# KiCad board emon36.kicad_pcb
title: EEMON42 - 42 channels single board energy monitor; date: 2022-12-02; rev: 1; company: JFCInc; note: PCB Layout
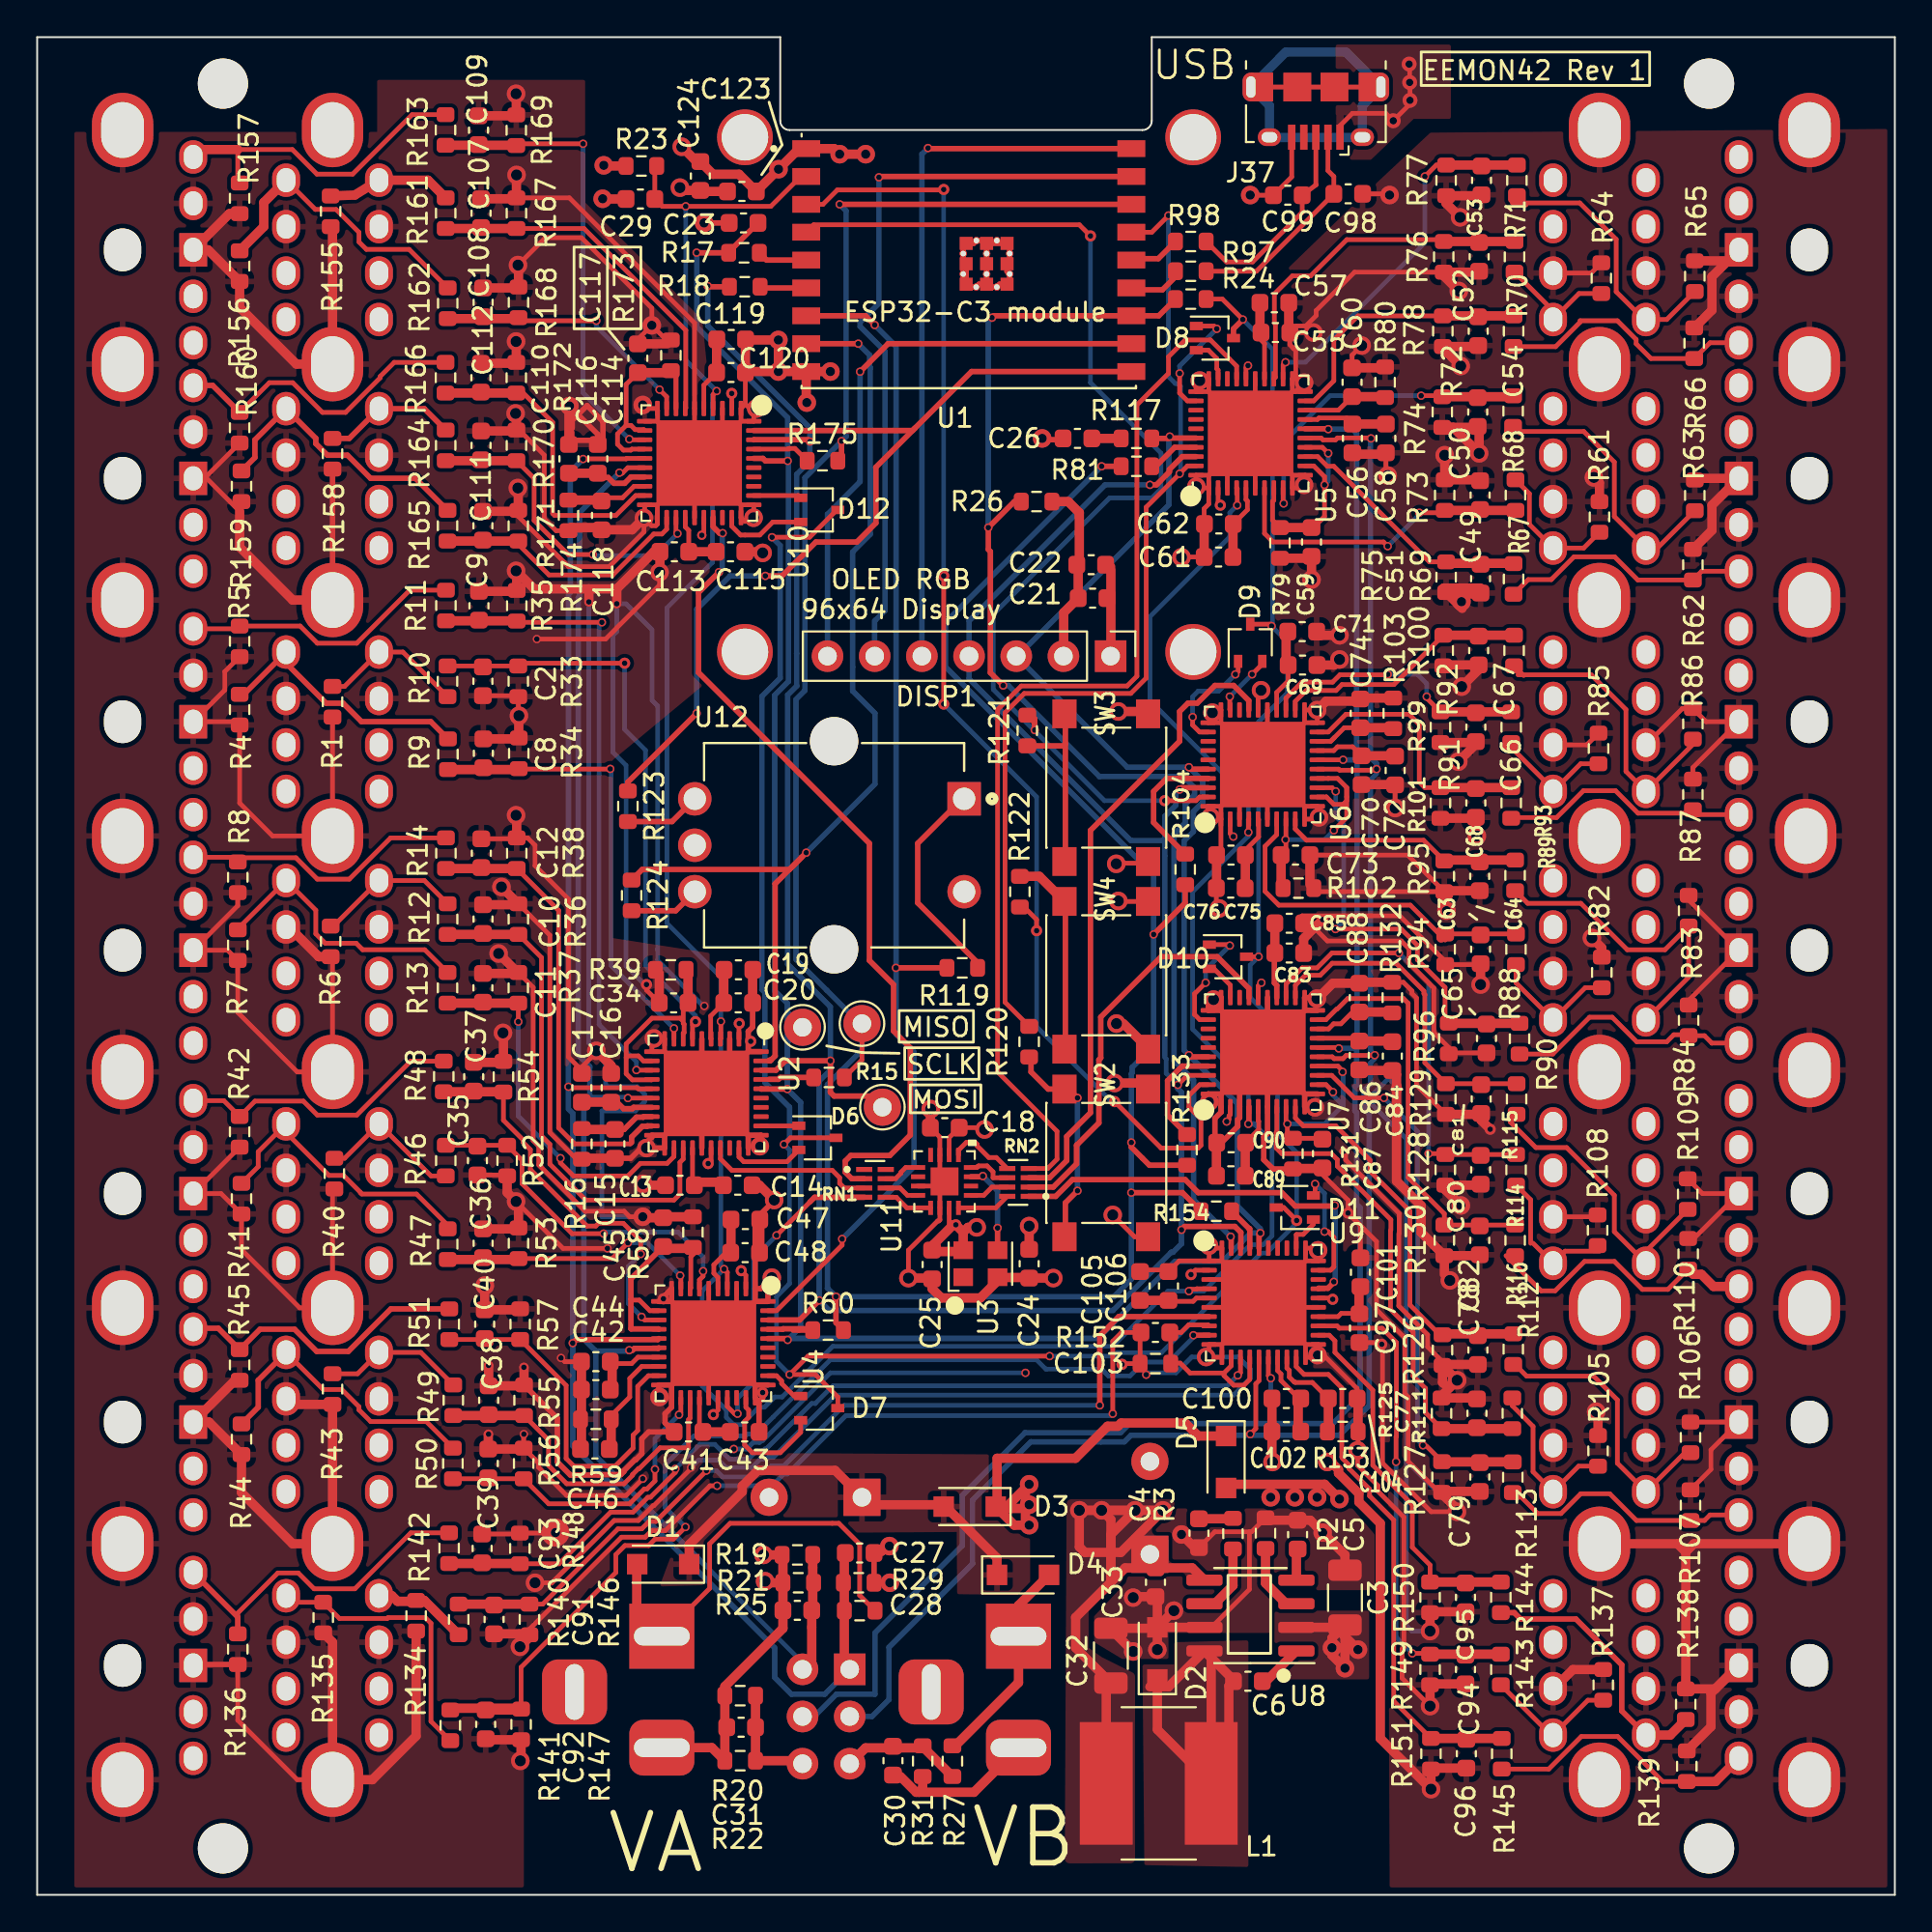
[diagram p0: board, top side]
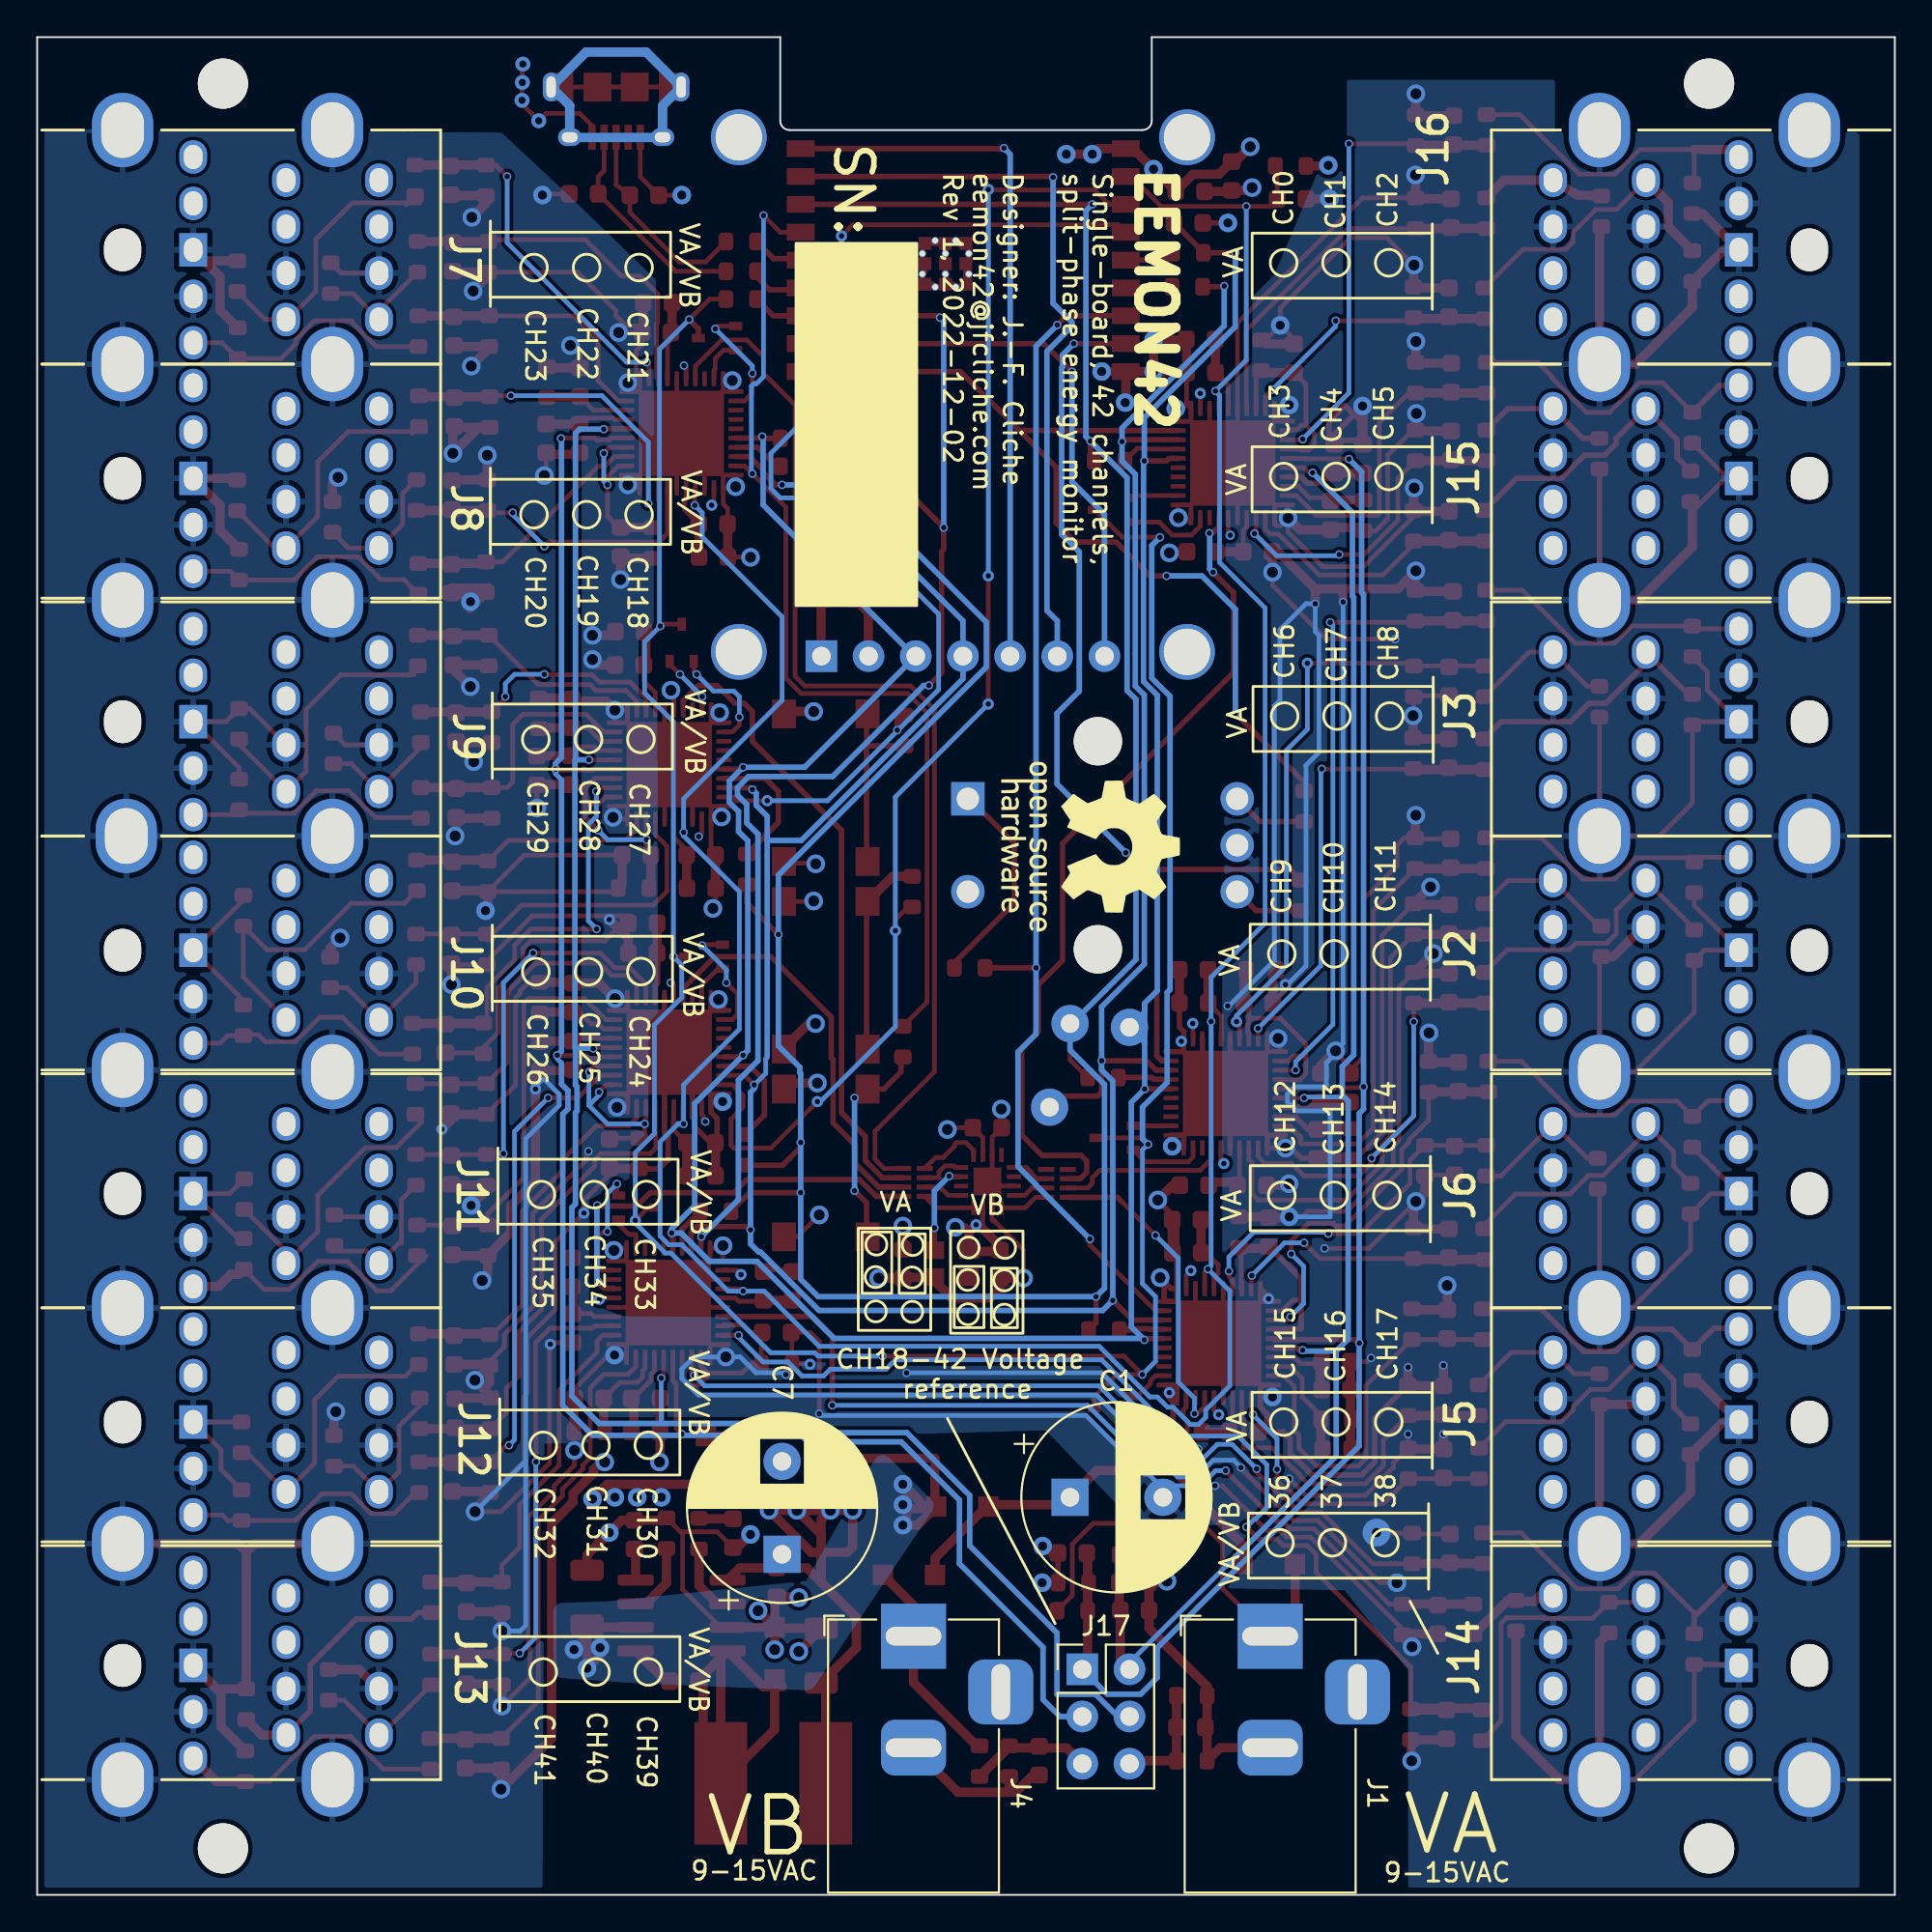
[diagram p1: board, bottom side, seen from below]

Outline 100 x 100 mm; copper layers: Top Layer, In1.Cu (plane), In2.Cu (plane), Bottom Layer. Coordinates in mm from the lower left corner of the outline.
Outline path: 0,100 0,0 100,0 100,100 60,100 60,95.5 arc(59.85,95.15) 59.5,95 40.5,95 arc(40.15,95.15) 40,95.5 40,100 0,100
Stack: Top Layer 0.035mm / dielectric 0.2104mm FR4 er 4.6 / In1.Cu 0.0152mm / dielectric 1.065mm FR4 er 4.6 / In2.Cu 0.0152mm / dielectric 0.2104mm FR4 er 4.6 / Bottom Layer 0.035mm

## Placement (name value [footprint] x y rotation side)
C1  680uF/35V  [CP_Radial_D10.0mm_P5.00mm]  44.4 21.4 180 bottom
C2  22nF  [C_0603_1608Metric]  24 65.33 270 top
C3  10uF/50V  [C_1206_3216Metric]  70.4 16 90 top
C4  2.2nF  [C_0603_1608Metric]  62.54 19.47 270 top
C5  10nF  [C_0603_1608Metric]  67.85 19.39 90 top
C6  0.1uF  [C_0603_1608Metric]  65.17 11.5 180 top
C7  220uF/35V  [CP_Radial_D10.0mm_P5.00mm]  59.9 18.33 90 bottom
C8  22nF  [C_0603_1608Metric]  24.02 61.45 90 top
C9  22nF  [C_0603_1608Metric]  23.78 69.39 90 top
C10  22nF  [C_0603_1608Metric]  24 52.53 90 top
C11  22nF  [C_0603_1608Metric]  24 48.83 90 top
C12  22nF  [C_0603_1608Metric]  23.91 56.07 90 top
C13  4.7uF/16V  [C_0603_1608Metric]  34.6 38.2 180 top
C14  0.22uF  [C_0603_1608Metric]  37.71 38.2 0 top
C15  22nF  [C_0603_1608Metric]  31.1 40.43 270 top
C16  4.7uF/16V  [C_0603_1608Metric]  30.9 43.45 90 top
C17  0.1uF  [C_0603_1608Metric]  29.32 43.45 90 top
C18  0.1uF  [C_0603_1608Metric]  48.86 41.3 180 top
C19  4.7uF/16V  [C_0603_1608Metric]  37.75 49.79 0 top
C20  0.22uF  [C_0603_1608Metric]  37.74 48.02 0 top
C21  0.22uF  [C_0603_1608Metric]  56.81 69.8 0 top
C22  4.7uF/16V  [C_0603_1608Metric]  56.74 71.6 0 top
C23  100pF  [C_0603_1608Metric]  38.03 90 180 top
C24  4.7uF/16V  [C_0603_1608Metric]  53.4 33.98 270 top
C25  0.22uF  [C_0603_1608Metric]  48.17 33.93 270 top
C26  100pF  [C_0603_1608Metric]  56 78.4 180 top
C27  47nF  [C_0603_1608Metric]  44.28 18.4 0 top
C28  47nF  [C_0603_1608Metric]  40.92 15.31 180 top
C29  0.22uF  [C_0603_1608Metric]  32.47 91.29 180 top
C30  47nF  [C_0603_1608Metric]  46.07 7.22 270 top
C31  47nF  [C_0603_1608Metric]  37.89 9.02 180 top
C32  10uF/50V  [C_1206_3216Metric]  57.8 12.88 90 top
C33  0.1uF  [C_0603_1608Metric]  60.2 16.83 90 top
C34  22nF  [C_0603_1608Metric]  34.26 48.02 180 top
C35  22nF  [C_0603_1608Metric]  23.7 39.53 270 top
C36  22nF  [C_0603_1608Metric]  24 35.08 90 top
C37  22nF  [C_0603_1608Metric]  23.5 44.04 90 top
C38  22nF  [C_0603_1608Metric]  24.31 26.63 90 top
C39  22nF  [C_0603_1608Metric]  24.28 23.22 90 top
C40  22nF  [C_0603_1608Metric]  24.09 30.72 90 top
C41  4.7uF/16V  [C_0603_1608Metric]  35.06 24.92 180 top
C42  4.7uF/16V  [C_0603_1608Metric]  30.07 27.2 180 top
C43  0.22uF  [C_0603_1608Metric]  38.08 24.92 0 top
C44  0.1uF  [C_0603_1608Metric]  30.07 28.7 180 top
C45  22nF  [C_0603_1608Metric]  33.7 35.68 90 top
C46  22nF  [C_0603_1608Metric]  30.03 24 180 top
C47  4.7uF/16V  [C_0603_1608Metric]  38.12 36.35 0 top
C48  0.22uF  [C_0603_1608Metric]  38.11 34.57 0 top
C49  22nF  [C_0603_1608Metric]  77.67 75.35 90 top
C50  22nF  [C_0603_1608Metric]  77.55 79.82 270 top
C51  22nF  [C_0603_1608Metric]  77.7 70.85 270 top
C52  22nF  [C_0603_1608Metric]  77.62 88.18 270 top
C53  22nF  [C_0603_1608Metric]  77.75 92.29 270 top
C54  22nF  [C_0603_1608Metric]  77.57 84.17 270 top
C55  4.7uF/16V  [C_0603_1608Metric]  66.66 84.1 0 top
C56  4.7uF/16V  [C_0603_1608Metric]  70.8 78.4 270 top
C57  0.22uF  [C_0603_1608Metric]  66.6 85.7 0 top
C58  0.1uF  [C_0603_1608Metric]  72.6 78.4 270 top
C59  22nF  [C_0603_1608Metric]  68.6 72.83 270 top
C60  22nF  [C_0603_1608Metric]  70.78 81.43 90 top
C61  4.7uF/16V  [C_0603_1608Metric]  63.6 72.02 180 top
C62  0.22uF  [C_0603_1608Metric]  63.61 73.79 180 top
C63  22nF  [C_0603_1608Metric]  77.7 50.9 270 top
C64  22nF  [C_0603_1608Metric]  77.65 54.83 270 top
C65  22nF  [C_0603_1608Metric]  78.02 46.1 270 top
C66  22nF  [C_0603_1608Metric]  77.44 62.85 270 top
C67  22nF  [C_0603_1608Metric]  77.6 66.98 270 top
C68  22nF  [C_0603_1608Metric]  77.44 58.78 270 top
C69  4.7uF/16V  [C_0603_1608Metric]  68.12 66.2 0 top
C70  4.7uF/16V  [C_0603_1608Metric]  71.3 60.54 270 top
C71  0.22uF  [C_0603_1608Metric]  68.1 68 0 top
C72  0.1uF  [C_0603_1608Metric]  73.1 60.53 270 top
C73  22nF  [C_0603_1608Metric]  67.74 55.97 0 top
C74  22nF  [C_0603_1608Metric]  71.22 63.6 90 top
C75  4.7uF/16V  [C_0603_1608Metric]  64.25 54.19 180 top
C76  0.22uF  [C_0603_1608Metric]  64.26 55.97 180 top
C77  22nF  [C_0603_1608Metric]  77.5 25.92 90 top
C78  22nF  [C_0603_1608Metric]  77.56 29.33 270 top
C79  22nF  [C_0603_1608Metric]  77.66 22.49 270 top
C80  22nF  [C_0603_1608Metric]  77.7 39.03 270 top
C81  22nF  [C_0603_1608Metric]  77.73 42.84 270 top
C82  22nF  [C_0603_1608Metric]  77.65 35.23 270 top
C83  4.7uF/16V  [C_0603_1608Metric]  67.4 50.7 0 top
C84  4.7uF/16V  [C_0603_1608Metric]  72.95 45.15 270 top
C85  0.22uF  [C_0603_1608Metric]  67.4 52.3 0 top
C86  0.1uF  [C_0603_1608Metric]  71.17 45.19 270 top
C87  22nF  [C_0603_1608Metric]  69.19 39.9 270 top
C88  22nF  [C_0603_1608Metric]  71.17 48.3 90 top
C89  4.7uF/16V  [C_0603_1608Metric]  64.26 38.71 180 top
C90  0.22uF  [C_0603_1608Metric]  64.27 40.49 180 top
C91  22nF  [C_0603_1608Metric]  24.6 14.83 270 top
C92  22nF  [C_0603_1608Metric]  24.14 9.18 270 top
C93  22nF  [C_0603_1608Metric]  23.95 18.65 90 top
C94  22nF  [C_0603_1608Metric]  76.89 12.13 270 top
C95  22nF  [C_0603_1608Metric]  76.89 16.01 270 top
C96  22nF  [C_0603_1608Metric]  76.93 7.6 270 top
C97  4.7uF/16V  [C_0603_1608Metric]  71.18 30.5 270 top
C98  22pF  [C_0603_1608Metric]  70.57 91.57 0 top
C99  22pF  [C_0603_1608Metric]  67.32 91.49 180 top
C100  4.7uF/16V  [C_0603_1608Metric]  67.24 26.72 180 top
C101  0.22uF  [C_0603_1608Metric]  71.23 33.51 90 top
C102  0.1uF  [C_0603_1608Metric]  67.24 24.94 180 top
C103  22nF  [C_0603_1608Metric]  60.2 30.27 180 top
C104  22nF  [C_0603_1608Metric]  70.28 26.72 0 top
C105  4.7uF/16V  [C_0603_1608Metric]  59.37 32.78 90 top
C106  0.22uF  [C_0603_1608Metric]  60.9 32.78 90 top
C107  22nF  [C_0603_1608Metric]  23.89 90.53 90 top
C108  22nF  [C_0603_1608Metric]  24 85.73 90 top
C109  22nF  [C_0603_1608Metric]  23.76 94.99 90 top
C110  22nF  [C_0603_1608Metric]  23.89 78.03 90 top
C111  22nF  [C_0603_1608Metric]  24 73.7 90 top
C112  22nF  [C_0603_1608Metric]  23.89 81.67 90 top
C113  4.7uF/16V  [C_0603_1608Metric]  34.3 72.3 180 top
C114  4.7uF/16V  [C_0603_1608Metric]  30.18 77.3 90 top
C115  0.22uF  [C_0603_1608Metric]  37.32 72.3 0 top
C116  0.1uF  [C_0603_1608Metric]  28.63 77.3 90 top
C117  22nF  [C_0603_1608Metric]  32.34 82.72 90 top
C118  22nF  [C_0603_1608Metric]  30.38 74.26 270 top
C119  4.7uF/16V  [C_0603_1608Metric]  37.36 83.73 0 top
C120  0.22uF  [C_0603_1608Metric]  37.35 81.95 0 top
C123  4.7uF/16V  [C_0603_1608Metric]  37.93 91.69 180 top
C124  0.22uF  [C_0603_1608Metric]  35.7 92.53 270 top
D1  B240AE-13  [D_SOD-123F]  33.7 17.8 180 top
D2  B240AE-13  [D_SOD-123F]  60.3 13 90 top
D3  B240AE-13  [D_SOD-123F]  50.2 20.9 180 top
D4  B240AE-13  [D_SOD-123F]  53.07 17.22 0 top
D5  B240AE-13  [D_SOD-123F]  64 23.3 270 top
D6  D_Schottky_Dual_CommonAnode_KKA_Parallel  [SOT-323_SC-70]  42 40.75 0 top
D7  D_Schottky_Dual_CommonAnode_KKA_Parallel  [SOT-323_SC-70]  42.1 26.2 0 top
D8  D_Schottky_Dual_CommonAnode_KKA_Parallel  [SOT-323_SC-70]  63.4 83.8 0 top
D9  D_Schottky_Dual_CommonAnode_KKA_Parallel  [SOT-323_SC-70]  65.3 67.4 90 top
D10  D_Schottky_Dual_CommonAnode_KKA_Parallel  [SOT-323_SC-70]  64.1 50.5 0 top
D11  D_Schottky_Dual_CommonAnode_KKA_Parallel  [SOT-323_SC-70]  67.7 37 180 top
D12  D_Schottky_Dual_CommonAnode_KKA_Parallel  [SOT-323_SC-70]  42.1 74.55 0 top
DISP1  SSD1331_RGB_OLED_94x64  [SSD1331_RGB_OLED_96x64]  50.17 66.68 180 top
H1  MountingHole_Pad  [STX-4335_Combined_Mounting_Hole]  15.9 57 90 top
H2  MountingHole_Pad  [STX-4335_Combined_Mounting_Hole]  15.9 69.7 90 top
H3  MountingHole_Pad  [STX-4335_Combined_Mounting_Hole]  4.6 31.6 90 top
H4  MountingHole_Pad  [STX-4335_Combined_Mounting_Hole]  15.9 44.3 90 top
H5  MountingHole_Pad  [STX-4335_Combined_Mounting_Hole]  95.4 82.4 90 top
H6  MountingHole_Pad  [STX-4335_Combined_Mounting_Hole]  95.4 95 90 top
H7  MountingHole_Pad  [STX-4335_Combined_Mounting_Hole]  95.4 44.4 90 top
H8  MountingHole_Pad  [STX-4335_Combined_Mounting_Hole]  95.4 69.7 90 top
H9  MountingHole_Pad  [STX-4335_Combined_Mounting_Hole]  95.2 57 90 top
H10  MountingHole_Pad  [STX-4335_Combined_Mounting_Hole]  95.4 31.6 90 top
H11  MountingHole_Pad  [STX-4335_Combined_Mounting_Hole]  15.9 18.9 90 top
H12  MountingHole_Pad  [STX-4335_Combined_Mounting_Hole]  4.6 18.9 90 top
H13  MountingHole_Pad  [STX-4335_Combined_Mounting_Hole]  15.9 82.4 90 top
H14  MountingHole_Pad  [STX-4335_Combined_Mounting_Hole]  4.6 82.4 90 top
H15  MountingHole_Pad  [STX-4335_Combined_Mounting_Hole]  4.6 69.7 90 top
H16  MountingHole_Pad  [STX-4335_Combined_Mounting_Hole]  4.6 57 90 top
H17  MountingHole_Pad  [STX-4335_Combined_Mounting_Hole]  4.6 44.3 90 top
H18  MountingHole_Pad  [STX-4335_Combined_Mounting_Hole]  15.9 31.6 90 top
H19  MountingHole_Pad  [STX-4335_Combined_Mounting_Hole]  84.1 95 90 top
H20  MountingHole_Pad  [STX-4335_Combined_Mounting_Hole]  84.1 82.4 90 top
H21  MountingHole_Pad  [STX-4335_Combined_Mounting_Hole]  84.1 69.7 90 top
H22  MountingHole_Pad  [STX-4335_Combined_Mounting_Hole]  84.1 31.6 90 top
H23  MountingHole_Pad  [STX-4335_Combined_Mounting_Hole]  84.1 44.3 90 top
H24  MountingHole_Pad  [STX-4335_Combined_Mounting_Hole]  84.1 57 90 top
H25  MountingHole_Pad  [STX-4335_Combined_Mounting_Hole]  84.1 18.9 90 top
H26  MountingHole_Pad  [STX-4335_Combined_Mounting_Hole]  95.4 18.9 90 top
H27  MountingHole_Pad  [STX-4335_Combined_Mounting_Hole]  4.6 95 90 top
H28  MountingHole_Pad  [STX-4335_Combined_Mounting_Hole]  15.9 95 90 top
H29  MountingHole_Pad  [STX-4335_Combined_Mounting_Hole]  4.6 6.2 90 top
H30  MountingHole_Pad  [STX-4335_Combined_Mounting_Hole]  95.4 6.2 90 top
H31  MountingHole_Pad  [STX-4335_Combined_Mounting_Hole]  15.9 6.2 90 top
H32  MountingHole_Pad  [STX-4335_Combined_Mounting_Hole]  84.1 6.2 90 top
J1  Barrel_Jack  [PJ-002A]  33.63 13.92 90 bottom